# Altium PCB STM32MP25XXAK_2_DDR4.PcbDoc (part 2 of 6) (continued)
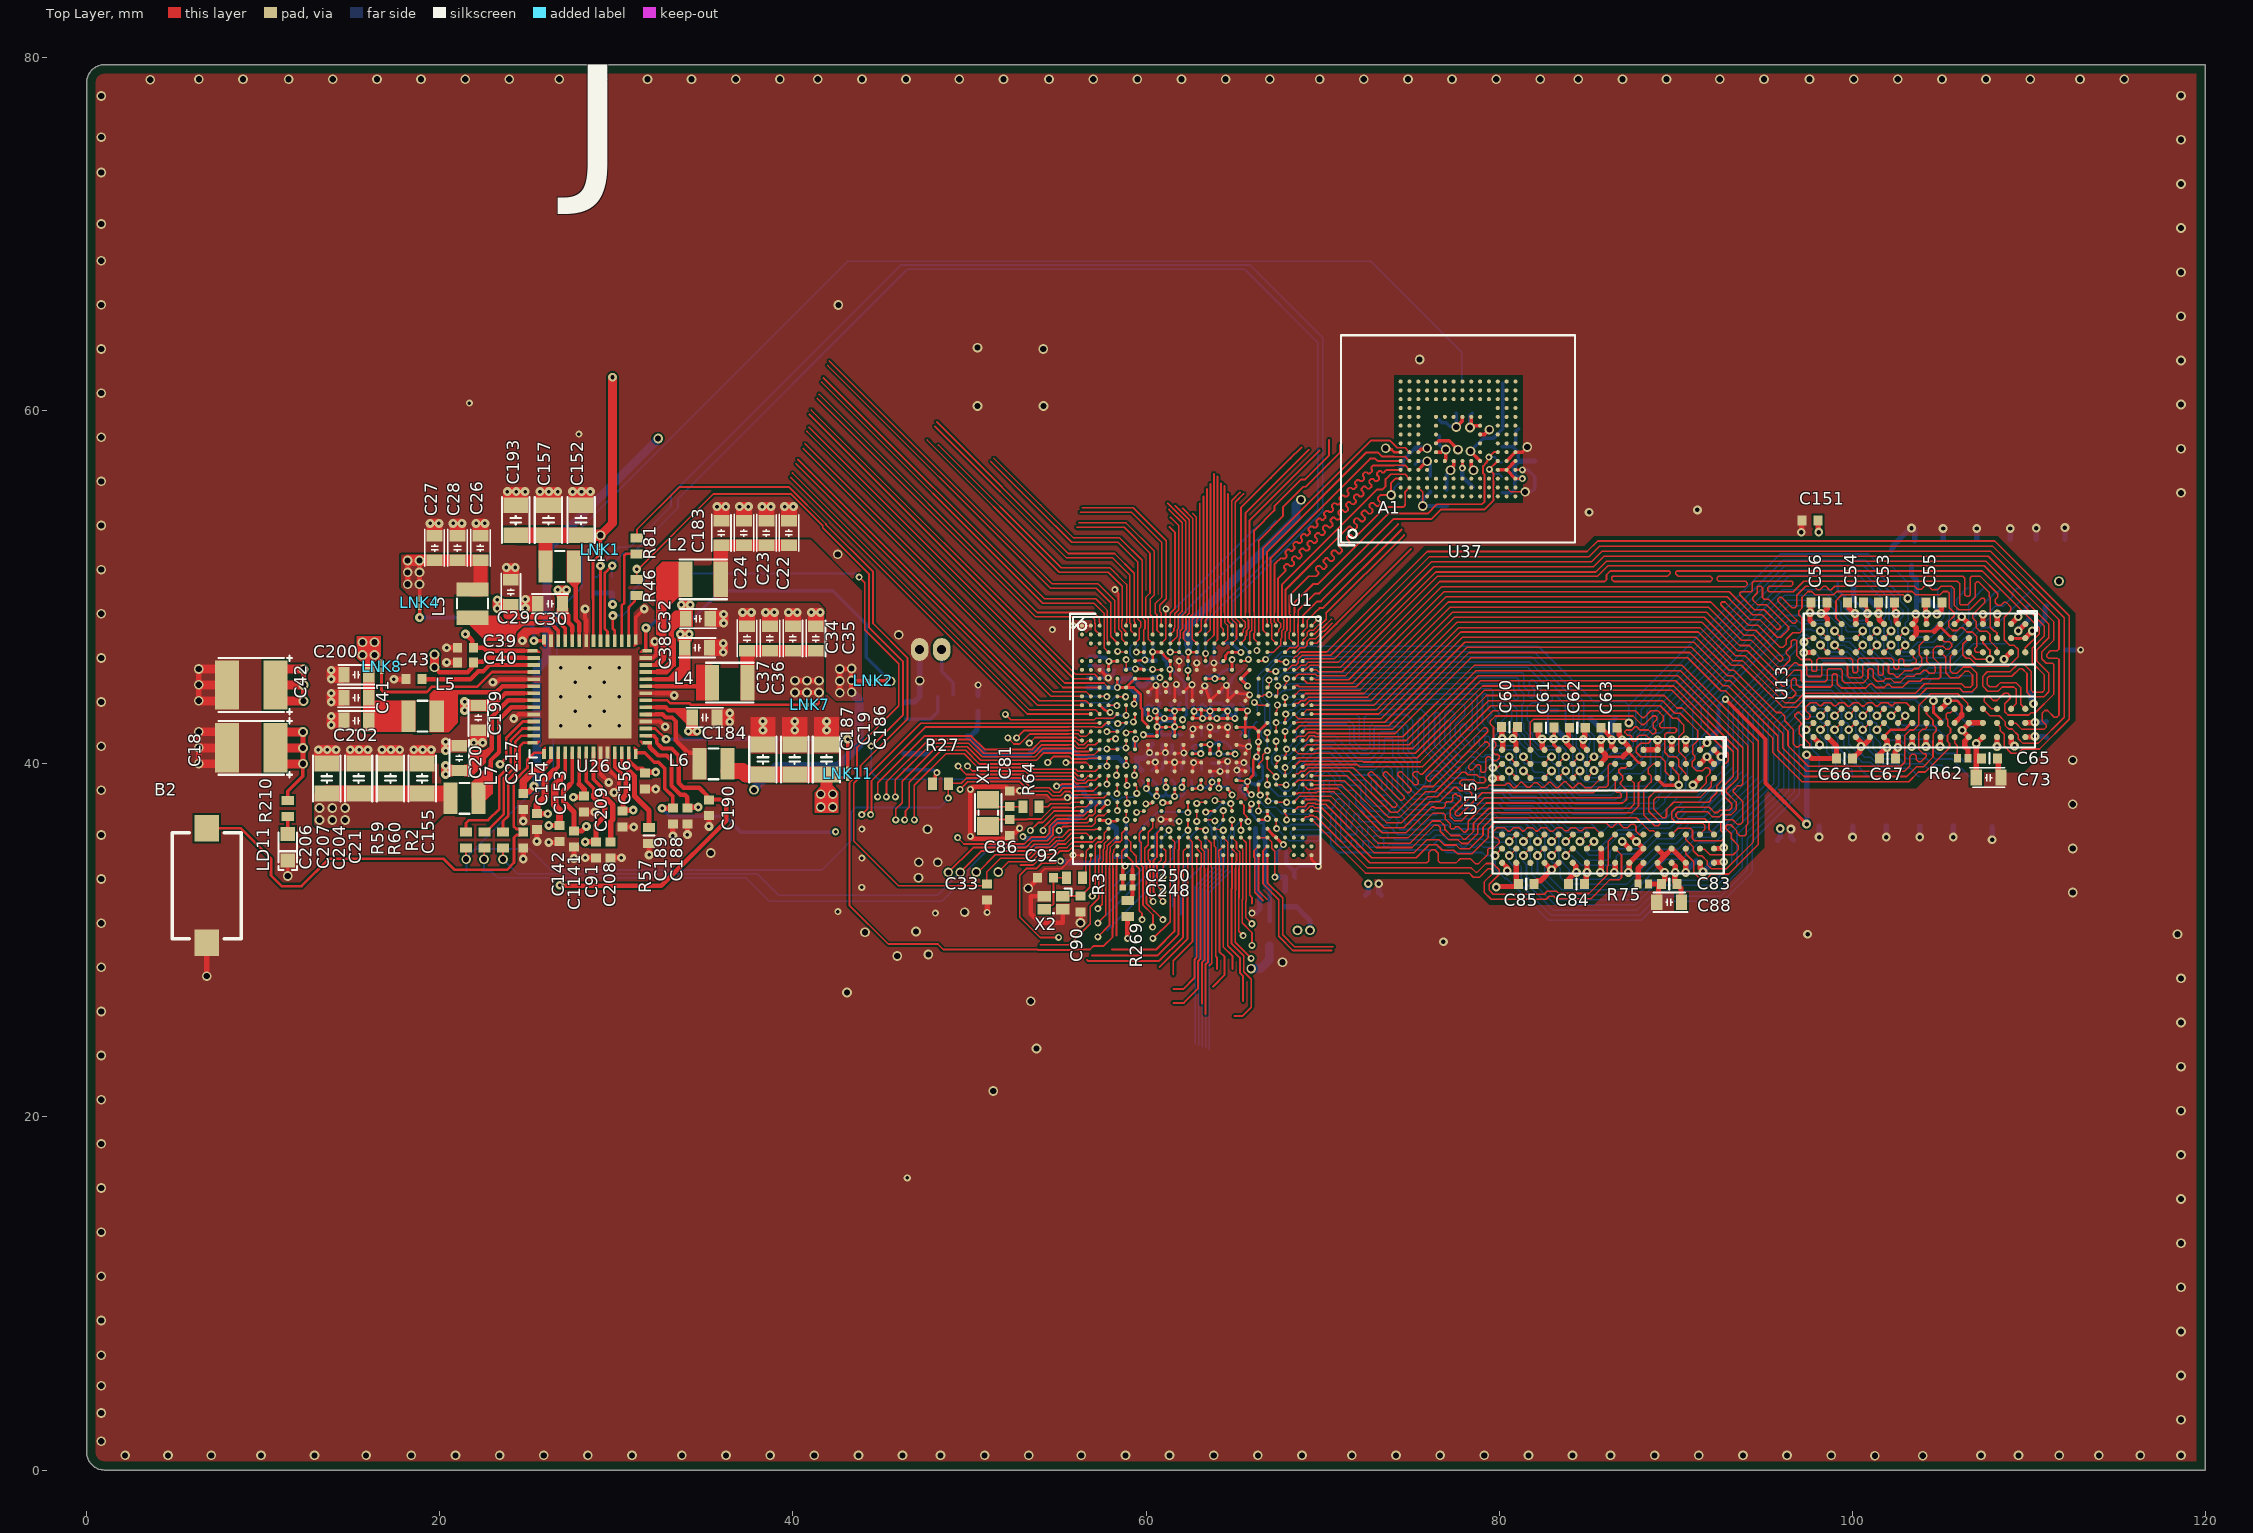
[diagram p0: Top Layer view]
## Nets (pads, with @x,y where several pads share a name; then routed paths per layer and width w, separated by ;. In a path a pad name is that pad's centre, name@x,y a point inside that pad or via, vN(x,y) a via of type N, cw(c..) or ccw(c..) an arc to the next point about the centre after c; other vN are vias at no path point) (continued)
  Bottom Layer w0.09: v2(67.916,42.821) 68.143,43.048 68.322,43.048 68.649,43.375 77.971,43.375 78.052,43.294 78.052,42.796 77.516,42.26 77.516,41.548 78.016,41.048 78.016,40.923 77.931,40.839 77.772,40.839 77.223,41.388 77.223,42.417 77.498,42.692 77.498,42.808 77.284,43.021 77.111,43.021 76.932,42.842 76.932,41.268 77.8,40.4 77.959,40.4 78.238,40.68 78.717,40.68 79.002,40.395 79.13,40.395 79.249,40.514 79.951,40.514 80.068,40.396 80.57,40.396 v4(80.578,40.404) ; v4@80.617,40.355 80.617,40.072 80.69,39.999 80.741,39.999 80.978,39.763 80.978,39.304 81.331,38.951 82.351,38.951 84.14,37.162 87.171,37.162 87.478,37.47 89.005,37.47 89.377,37.842 89.377,37.99 89.796,38.409 90.341,38.409 90.583,38.65 90.583,38.968 90.653,39.038 90.653,40.029 91.383,40.759 91.383,41.368 91.515,41.5 91.515,41.567 91.817,41.869 91.817,43.153 96.487,47.822 96.747,47.822 96.96,47.609 97.701,47.609 97.781,47.529 v4@98.178,47.529 ; v4@98.202,47.505 v4@98.178,47.529 ; R178.1@106.853,44.029 106.328,44.029 106.085,44.272 101.803,44.272 99.741,46.334 98.823,46.334 98.608,46.549 98.608,46.955 98.434,47.129 98.269,47.129 98.203,47.196 v4(98.203,47.529) v4@98.178,47.529
DDR_A9: R192.1 U1.AB24 U13.R7 U15.R7 | length 52.4
  Top Layer w0.09: U1.AB24@67.875,37.325 67.875,37.175 67.961,37.09 v2@67.961,36.85 ; v4@80.581,35.6 80.974,35.993 U15.R7@80.974,35.997 ; v4(98.203,42.729) U13.R7@98.599,43.126
  Bottom Layer w0.09: v2@67.965,36.854 69.882,36.854 69.978,36.95 69.978,37.091 69.731,37.338 69.731,37.53 69.848,37.647 70.023,37.647 70.178,37.491 70.546,37.491 70.717,37.663 70.717,37.889 70.836,38.008 70.999,38.008 71.231,37.776 71.231,37.64 71.042,37.452 71.042,35.655 71.138,35.56 71.253,35.56 71.335,35.641 71.335,35.876 71.455,35.996 71.828,35.996 71.931,36.1 71.931,36.338 72.028,36.435 72.162,36.435 72.255,36.342 72.255,36.031 72.343,35.943 72.462,35.943 72.55,36.031 72.55,36.365 72.623,36.438 72.859,36.438 72.937,36.36 72.937,36.27 72.986,36.221 73.624,36.221 73.689,36.156 73.689,35.883 73.752,35.82 73.986,35.82 74.104,35.701 76.155,35.701 76.41,35.957 76.842,35.957 77.067,35.732 79.057,35.732 79.233,35.556 80.381,35.556 80.503,35.678 v4(80.578,35.604) 80.578,35.254 80.633,35.199 80.741,35.199 80.977,34.963 80.977,34.448 81.236,34.189 81.263,34.163 81.263,33.52 83.064,31.719 87.812,31.719 88.883,32.79 92.443,32.79 93.764,34.111 93.764,35.859 96.418,38.512 96.418,41.913 97.183,42.678 98.152,42.678 v4(98.203,42.729) ; v4@98.207,42.724 98.207,42.397 98.275,42.329 98.364,42.329 98.605,42.087 98.605,41.616 98.866,41.356 98.866,40.775 100.001,39.639 100.001,39.329 R192.1@100.028,39.302
  other v2: 67.96,36.825
DDR_A10: R166.1 U1.H24 U13.M3 U15.M3 | length 58.7
  Top Layer w0.09: U1.H24@67.875,44.325 67.877,44.327 67.877,44.497 67.96,44.58 v2(67.96,44.825) ; U15.M3@83.374,39.197 83.374,39.245 v4@83.729,39.6 ; U13.M3@101.005,46.32 101.403,46.718 v4(101.403,46.729)
  Bottom Layer w0.09: v2(67.96,44.825) 68.242,44.825 68.297,44.88 81.002,44.88 81.117,44.764 81.117,44.254 81.386,43.985 81.386,43.452 81.297,43.363 81.297,42.378 81.386,42.289 81.386,41.921 81.691,41.617 81.691,41.294 82.178,40.807 83.285,40.807 83.373,40.719 83.373,40.07 83.778,39.665 83.778,39.315 84.632,38.461 86.13,38.461 87.098,39.429 88.053,39.429 88.578,39.954 88.578,41.524 88.802,41.749 89.125,41.749 89.349,41.972 89.349,42.735 96.171,49.558 98.584,49.558 99.166,48.976 99.166,48.487 99.875,47.779 100.264,47.779 100.411,47.926 100.767,47.926 100.998,47.694 100.998,47.375 101.239,47.134 101.306,47.134 101.397,47.043 101.397,46.735 v4(101.403,46.729) 101.403,46.676 101.608,46.471 101.608,46.387 102.381,45.614 103.464,45.614 103.514,45.664 103.727,45.664 104.082,46.019 105.271,46.019 107.305,48.052 107.554,48.052 107.816,48.314 107.816,48.651 108.107,48.942 108.556,48.942 109.078,49.464 109.078,49.697 109.333,49.952 R166.1@109.428,49.952 R166.1@109.428,49.954
  other v4: 83.778,39.604
DDR_A11: R182.1 U1.P24 U13.T2 U15.T2 | length 63.3
  Top Layer w0.09: U1.P24@67.875,41.325 67.875,41.838 v2(67.879,41.842) ; v4@79.656,39.775 79.904,39.775 80.128,39.999 U15.T2@80.175,39.999 ; v4(97.278,46.904) 97.494,47.12 U13.T2@97.805,47.12
  Bottom Layer w0.09: v2@67.88,41.842 68.506,42.468 68.562,42.468 68.889,42.795 71.929,42.795 72.07,42.654 72.07,41.391 72.143,41.318 72.278,41.318 72.373,41.413 72.373,42.636 72.532,42.795 74.776,42.795 75.112,42.458 75.112,40.897 75.178,40.831 75.307,40.831 75.423,40.947 75.423,42.532 75.499,42.607 75.646,42.607 75.732,42.521 75.732,40.779 77.312,39.199 78.113,39.199 ; 78.113,39.2 78.375,38.938 78.468,38.938 78.594,39.064 78.594,39.562 78.518,39.638 78.45,39.638 78.309,39.497 78.168,39.497 78.102,39.563 78.102,39.722 78.417,40.037 78.536,40.037 78.906,39.668 78.906,39.011 78.984,38.932 79.113,38.932 79.225,39.044 79.225,39.677 79.327,39.779 v4(79.653,39.779) 79.693,39.779 80.103,39.369 80.103,39.174 80.825,38.451 82.144,38.451 83.939,36.655 85.186,36.655 85.671,36.171 85.885,36.171 86.259,36.545 87.478,36.545 87.808,36.874 ; 87.809,36.874 87.825,36.89 89.446,36.89 90.384,37.828 91.278,37.828 93.268,39.817 93.268,43.217 95.909,45.859 96.233,45.859 v4(97.278,46.904) ; v4(97.278,46.904) 98.327,45.854 99.542,45.854 101.658,43.738 102.695,43.738 102.804,43.629 103.578,43.629 104.023,43.184 105.598,43.184 106.653,42.129 R182.1@106.853,42.129
DDR_A12: R186.1 U1.W23 U13.M7 U15.M7 | length 55.3
  Top Layer w0.09: U1.W23@67.379,38.821 67.918,38.821 v2(67.935,38.805) ; v4@83.004,35.6 83.374,35.97 U15.M7@83.374,35.997 ; v4(100.603,42.729) 100.994,43.12 U13.M7@101.005,43.12 ; v4@100.612,42.703 v4@100.635,42.703
  Bottom Layer w0.09: v2(67.935,38.805) 67.935,38.853 68.546,39.464 68.546,39.67 69.849,40.972 70.495,40.972 71.811,39.656 72.949,39.656 73.598,40.305 73.708,40.305 74.245,39.767 74.245,38.463 75.012,37.697 76.205,37.697 76.45,37.942 76.576,37.942 76.728,37.789 77.47,37.789 77.787,37.472 79.826,37.472 80.162,37.136 81.688,37.136 82.821,36.004 82.821,35.862 82.978,35.705 v4(82.978,35.604) 83.188,35.393 83.188,35.152 83.373,34.968 83.373,34.619 83.983,34.009 83.983,33.69 84.214,33.459 86.691,33.459 86.928,33.695 86.928,34.013 87.519,34.604 88.181,34.604 89.056,35.479 90.03,35.479 90.968,36.418 91.862,36.418 94.678,39.233 94.678,42.633 96.493,44.449 98.965,44.449 100.603,42.812 100.603,42.688 100.817,42.474 100.817,42.346 100.999,42.164 100.999,41.774 101.583,41.19 101.583,40.765 101.814,40.534 102.854,40.534 103.094,40.294 104.222,40.294 104.599,39.918 105.068,39.918 105.423,39.563 105.423,39.512 105.633,39.302 R186.1@105.728,39.302
DDR_A13: R194.1 U1.AC23 U13.T8 U15.T8 | length 49.2
  Top Layer w0.09: U1.AC23@67.379,36.821 67.379,36.358 v2(67.402,36.335) ; v4@79.781,34.8 79.781,34.83 U15.T8@80.15,35.199 ; v4(97.403,41.929) 97.414,41.929 U13.T8@97.805,42.32 ; v4@97.412,41.933 v4@97.484,42.005
  Bottom Layer w0.09: v2(67.402,36.335) 68.084,35.653 69.753,35.653 69.827,35.728 69.827,35.858 69.742,35.944 68.272,35.944 68.183,36.032 68.183,36.132 68.325,36.274 69.826,36.274 70.009,36.091 70.378,36.091 70.462,36.007 70.462,35.415 70.897,34.98 73.731,34.98 73.872,35.121 76.395,35.121 76.565,35.291 76.687,35.291 76.997,34.981 79.056,34.981 79.233,34.804 v4(79.778,34.804) ; v4@79.781,34.8 79.781,34.058 80.331,33.507 80.432,33.507 82.8,31.139 88.052,31.139 89.123,32.21 92.684,32.21 94.344,33.871 94.344,35.618 96.998,38.272 96.998,41.516 v4@97.403,41.921 ; v4@97.403,41.785 v4@97.43,41.785 ; v4(97.403,41.929) v4@97.403,41.921 ; R194.1@98.132,39.302 98.132,40.424 97.688,40.869 97.688,41.636 v4@97.403,41.921
DDR_ACTN: R168.1 U1.F22 U13.L3 U15.L3 | length 58.7
  Top Layer w0.09: U1.F22@66.883,45.325 66.888,45.325 66.998,45.215 67.317,45.215 v2@67.34,45.239 ; U15.L3@84.174,39.197 84.174,39.245 84.529,39.6 v4@84.581,39.6 ; U13.L3@101.805,46.32 102.203,46.718 v4(102.203,46.729)
  Bottom Layer w0.09: v2@67.35,45.239 67.386,45.239 67.558,45.41 68.19,45.41 68.258,45.478 81.618,45.478 82.764,44.332 82.764,44.242 82.656,44.135 82.656,43.625 82.748,43.534 82.963,43.534 83.016,43.586 83.016,43.807 83.1,43.891 83.21,43.891 83.763,43.338 83.763,41.997 84.178,41.582 84.178,40.242 84.306,40.114 84.306,39.927 84.368,39.865 84.368,39.862 84.578,39.652 v4(84.578,39.604) 84.578,39.242 84.841,38.979 85.765,38.979 86.795,40.009 87.422,40.009 88.056,40.643 88.056,41.588 88.688,42.22 88.688,42.895 96.463,50.67 100.383,50.67 101.762,49.291 101.762,49.066 101.898,48.931 101.898,48.358 101.803,48.263 101.803,47.368 101.984,47.187 101.984,46.988 v4@102.203,46.769 ; v4@102.203,46.672 102.78,46.094 103.266,46.094 103.416,46.244 103.486,46.244 103.841,46.599 105.031,46.599 106.598,48.165 106.598,49.099 107.223,49.724 107.223,49.742 107.433,49.952 R168.1@107.528,49.952
  other v2: 67.35,45.24
DDR_BA0: R165.1 U1.J23 U13.N2 U15.N2 | length 62.1
  Top Layer w0.09: U1.J23@67.375,43.825 67.471,43.921 v2(67.471,44.421) ; U15.N2@82.574,39.997 82.574,40.045 v4@82.904,40.375 ; U13.N2@100.205,47.12 100.603,47.518 v4(100.603,47.529)
  Bottom Layer w0.09: v2(67.471,44.421) 67.77,44.421 67.828,44.48 68.103,44.48 68.158,44.535 80.752,44.535 80.827,44.46 80.827,44.134 81.096,43.865 81.096,43.727 81.008,43.639 80.897,43.639 80.291,44.245 80.059,44.245 79.985,44.171 79.985,43.903 80.061,43.826 80.298,43.826 81.007,43.117 81.007,42.381 80.899,42.274 80.899,42.136 81.443,41.593 81.443,41.245 82.284,40.404 v4(82.978,40.404) v4@82.952,40.378 ; v4@82.978,40.379 82.978,40.101 83.08,39.999 83.143,39.999 83.376,39.766 83.376,39.447 83.528,39.295 83.528,39.212 84.528,38.211 86.34,38.211 86.86,38.731 88.31,38.731 88.868,39.289 88.868,40.685 89.373,41.19 89.373,41.579 89.698,41.904 89.698,42.674 96.282,49.259 98.473,49.259 98.976,48.756 98.976,48.409 98.99,48.394 98.99,48.389 99.639,47.74 99.639,47.602 99.753,47.489 100.562,47.489 v4(100.603,47.529) 100.603,47.204 100.683,47.124 100.766,47.124 100.998,46.893 100.998,46.559 102.183,45.374 103.847,45.374 104.202,45.729 105.392,45.729 107.388,47.725 108.019,47.725 109.628,49.334 109.628,49.369 109.713,49.454 109.776,49.454 110.276,49.954 R165.1@110.378,49.954
DDR_BA1: R189.1 U1.AA23 U13.N8 U15.N8 | length 52.5
  Top Layer w0.09: U1.AA23@67.375,37.825 v2(67.96,37.825) ; v4@82.181,34.8 82.181,34.83 U15.N8@82.55,35.199 ; v4@99.812,41.933 U13.N8@100.202,42.323
  Bottom Layer w0.09: v2(67.96,37.825) 67.976,37.809 68.273,37.809 68.945,38.481 68.945,38.632 69.416,39.104 69.416,39.237 70.072,39.893 70.344,39.893 70.971,39.265 70.971,39.044 71.046,38.97 71.267,38.97 71.451,38.786 72.076,38.786 72.162,38.7 72.162,37.907 72.76,37.309 73.315,37.309 73.533,37.091 73.65,37.091 73.752,37.194 73.752,37.378 73.879,37.505 73.974,37.505 74.666,36.812 74.666,36.638 74.733,36.571 74.956,36.571 75.013,36.628 75.013,36.76 75.07,36.818 75.392,36.818 75.476,36.734 75.476,36.634 75.539,36.571 75.745,36.571 76,36.827 77.202,36.827 77.427,36.602 79.466,36.602 79.628,36.439 81.226,36.439 81.776,35.889 81.776,35.412 82.007,35.181 82.059,35.181 82.125,35.116 82.125,34.857 v4(82.178,34.804) 82.178,33.835 83.424,32.589 87.451,32.589 89.451,34.589 90.37,34.589 91.329,35.548 92.223,35.548 95.548,38.872 95.548,42.273 96.854,43.579 98.711,43.579 99.398,42.893 99.398,42.575 99.639,42.334 99.723,42.334 99.778,42.279 99.778,41.954 v4(99.803,41.929) 99.803,41.129 100.336,40.595 100.482,40.595 100.698,40.379 101.038,40.379 101.609,39.809 102.314,39.809 102.573,39.551 102.573,39.512 102.783,39.302 R189.1@102.878,39.302
DDR_BG0: R167.1 U1.H22 U13.M2 U15.M2 | length 61.5
  Top Layer w0.09: U1.H22@66.875,44.325 66.975,44.425 66.975,44.741 v2(66.967,44.749) ; U15.M2@83.374,39.997 83.374,40.045 v4@83.729,40.4 ; U13.M2@101.005,47.12 101.005,47.131 v4(101.403,47.529)
  Bottom Layer w0.09: v2(66.967,44.749) 66.982,44.764 67.401,44.764 67.807,45.17 81.305,45.17 81.407,45.067 81.407,44.374 81.676,44.105 81.676,43.837 81.757,43.756 81.909,43.756 81.989,43.837 81.989,44.221 81.701,44.509 81.701,44.64 81.816,44.754 81.931,44.754 82.366,44.319 82.366,43.542 82.29,43.465 81.865,43.465 81.587,43.187 81.587,42.498 81.701,42.384 81.701,41.879 81.908,41.672 81.908,41.371 82.275,41.004 83.55,41.004 83.778,40.776 v4(83.778,40.404) ; v4@83.781,40.4 83.995,40.186 83.995,39.946 84.178,39.763 84.178,39.269 84.735,38.711 85.94,38.711 86.948,39.719 87.542,39.719 88.314,40.492 88.314,41.558 88.996,42.239 88.996,42.793 96.063,49.86 98.692,49.86 99.365,49.187 99.365,48.614 99.856,48.122 100.844,48.122 101.359,47.607 101.359,47.536 101.658,47.237 101.658,47.045 101.798,46.905 101.798,46.549 102.493,45.854 103.365,45.854 103.465,45.954 103.606,45.954 103.961,46.309 105.151,46.309 106.888,48.045 106.888,48.284 107.015,48.411 107.015,48.634 107.933,49.552 107.938,49.552 108.128,49.742 108.268,49.742 R167.1@108.373,49.847
DDR_CASN: R187.1 U1.T22 U13.M8 U15.M8 | length 58
  Top Layer w0.09: U1.T22@66.875,40.325 66.875,39.764 v2@67.368,39.271 ; v4@82.981,34.83 U15.M8@83.35,35.199 ; v4(100.603,41.929) 100.994,42.32 U13.M8@101.005,42.32
  Bottom Layer w0.09: v2(67.372,39.271) 67.372,38.857 67.769,38.46 68.082,38.46 68.365,38.743 68.365,38.873 68.836,39.344 68.836,39.503 70.014,40.68 70.377,40.68 71.691,39.366 73.129,39.366 73.345,39.15 73.345,38.598 73.425,38.518 73.569,38.518 73.639,38.588 73.639,39.301 73.381,39.56 73.381,39.678 73.593,39.89 73.712,39.89 73.955,39.647 73.955,38.343 74.892,37.407 76.325,37.407 76.418,37.499 77.35,37.499 77.667,37.182 79.706,37.182 80.014,36.874 81.597,36.874 82.576,35.895 82.576,35.444 82.899,35.121 82.899,34.882 v4(82.978,34.804) 82.978,34.454 83.033,34.399 83.141,34.399 83.474,34.066 83.474,33.568 83.873,33.169 87.211,33.169 89.211,35.169 90.13,35.169 91.089,36.128 91.983,36.128 94.968,39.113 94.968,42.513 96.613,44.159 98.844,44.159 99.838,43.165 99.945,43.165 100.208,42.903 100.208,42.565 100.439,42.334 100.547,42.334 100.6,42.281 v4@100.6,41.931 ; v4(100.603,41.929) 100.603,41.863 101.203,41.263 101.203,40.855 101.763,40.294 102.684,40.294 102.974,40.004 104.01,40.004 104.473,39.541 104.473,39.512 104.683,39.302 R187.1@104.778,39.302
DDR_CKE: R171.1 U1.U21 U13.K2 U15.K2 | length 60.9
  Top Layer w0.09: U1.U21@66.375,39.825 66.402,39.852 66.402,39.998 66.605,40.201 66.605,40.483 v2(66.872,40.75) ; U15.K2@84.981,40 v4@85.381,40.4 ; U13.K2@102.612,47.132 v4@103.006,47.525
  Bottom Layer w0.09: v2(66.872,40.75) 66.872,41.23 66.523,41.578 66.523,41.909 66.731,42.117 66.731,43.258 66.48,43.509 66.48,43.629 66.343,43.766 66.343,44.997 67.694,46.348 81.983,46.348 84.803,43.529 84.803,42.178 85.381,41.6 v4@85.381,40.404 ; v4(85.378,40.404) v4@85.381,40.404 ; R171.1@104.678,49.952 104.791,49.952 104.853,49.891 104.853,49.313 105.198,48.968 105.198,48.315 104.411,47.529 v4(103.003,47.529) 103.003,47.976 103.168,48.142 103.168,48.783 102.728,49.223 102.728,49.556 100.744,51.54 96.103,51.54 87.752,43.189 87.752,42.131 87.375,41.754 87.375,41.193 87.061,40.879 86.239,40.879 85.764,40.404 v4@85.381,40.404
DDR_CLK_N: R181.2 U1.T24 U13.K8 U15.K8 | length 57.4
  Top Layer w0.09: U1.T24@67.875,40.325 67.875,40.479 67.946,40.55 67.946,40.817 v2(67.96,40.831) ; U15.K8@84.974,35.197 84.974,35.247 v4@85.327,35.6 ; U13.K8@102.605,42.32 103.003,42.718 v4(103.003,42.729)
  Bottom Layer w0.09: v2(67.96,40.831) 67.986,40.831 68.5,41.345 68.5,41.919 69.086,42.505 71.457,42.505 71.78,42.182 71.78,41.271 72.275,40.776 72.485,40.776 72.663,40.954 72.663,42.112 72.915,42.365 74.564,42.365 74.821,42.108 74.821,40.776 75.365,40.231 75.365,38.927 75.476,38.817 75.741,38.817 75.85,38.925 75.85,39.348 76.106,39.604 76.497,39.604 77.192,38.909 77.934,38.909 78.251,38.592 80.29,38.592 80.72,38.162 82.077,38.162 83.874,36.365 84.858,36.365 85.093,36.13 85.093,35.884 v4@85.373,35.604 ; v4(85.378,35.604) 85.091,35.317 85.091,35.206 85.218,35.079 85.54,35.079 86.714,36.253 87.699,36.253 88.046,36.6 89.567,36.6 90.504,37.538 91.399,37.538 93.558,39.697 93.558,43.097 96.029,45.569 99.392,45.569 101.463,43.498 102.415,43.498 102.709,43.204 102.709,42.999 102.979,42.729 v4(103.003,42.729) 102.728,42.454 102.728,42.313 102.866,42.175 104.869,42.175 105.198,42.504 R181.2@105.228,42.504
DDR_CLK_P: R181.1 U1.U23 U13.K7 U15.K7 | length 58.1
  Top Layer w0.09: U1.U23@67.375,39.825 U1.U23@67.375,39.825 67.376,40 67.46,40.084 v2(67.46,40.305) v2@67.424,40.269 ; v4@84.627,35.6 84.974,35.947 U15.K7@84.974,35.997 ; v4(102.203,42.729) 102.214,42.729 U13.K7@102.605,43.12
  Bottom Layer w0.09: v2(67.46,40.305) 67.508,40.305 67.688,40.486 68.103,40.486 68.305,40.688 68.305,40.796 68.75,41.241 68.75,41.816 69.189,42.255 71.354,42.255 71.53,42.079 71.53,41.168 72.171,40.526 72.589,40.526 72.913,40.85 72.913,42.009 73.019,42.115 74.46,42.115 74.571,42.004 74.571,40.672 75.115,40.128 75.115,38.824 75.372,38.567 75.845,38.567 76.1,38.822 76.1,39.244 76.21,39.354 76.394,39.354 77.089,38.659 77.83,38.659 78.148,38.342 80.187,38.342 80.617,37.912 81.974,37.912 83.77,36.115 84.755,36.115 84.843,36.026 84.843,35.87 v4(84.578,35.604) 84.841,35.341 84.841,35.103 85.115,34.829 85.643,34.829 86.817,36.003 87.803,36.003 88.149,36.35 89.67,36.35 90.608,37.288 91.502,37.288 93.808,39.593 93.808,42.994 96.133,45.319 99.289,45.319 101.36,43.248 102.311,43.248 102.459,43.1 102.459,42.985 v4(102.203,42.729) 102.478,42.454 102.478,42.209 102.762,41.925 104.859,41.925 105.18,41.604 R181.1@105.228,41.602
DDR_CSN: R183.1 U1.V24 U13.L7 U15.L7 | length 57
  Top Layer w0.09: U1.V24@67.875,39.325 67.879,39.329 v2(67.879,39.79) ; v4@83.781,35.6 83.812,35.6 84.15,35.938 U15.L7@84.15,35.999 ; v4(101.403,42.729) 101.414,42.729 U13.L7@101.805,43.12
  Bottom Layer w0.09: v2(67.879,39.79) 67.879,39.822 68.595,40.539 68.595,40.676 69.471,41.552 70.735,41.552 72.051,40.236 72.709,40.236 73.203,40.73 73.203,41.722 73.306,41.825 74.159,41.825 74.278,41.705 74.278,40.555 74.825,40.008 74.825,38.704 75.252,38.277 75.965,38.277 76.428,38.739 76.598,38.739 76.968,38.369 77.71,38.369 78.028,38.052 80.066,38.052 80.482,37.636 81.896,37.636 83.579,35.953 83.579,35.881 83.778,35.682 v4(83.778,35.604) 83.778,35.554 84.128,35.204 84.231,35.204 84.896,34.539 86.126,34.539 86.28,34.694 86.28,35.044 86.42,35.184 87.941,35.184 88.816,36.059 89.79,36.059 90.728,36.998 91.622,36.998 94.098,39.473 94.098,42.874 96.253,45.029 99.205,45.029 101.181,43.053 101.181,42.978 101.403,42.756 v4(101.403,42.729) 102.514,41.618 102.877,41.618 103.109,41.386 103.827,41.386 ; 103.828,41.385 104.33,41.385 104.573,41.143 104.573,40.825 104.814,40.584 105.898,40.584 106.328,40.154 106.826,40.154 R183.1@106.853,40.127
DDR_DQ0: U1.AB26 U15.F7 | length 22.9
  Top Layer w0.09: U1.AB26@68.875,37.325 68.893,37.343 69.03,37.343 69.276,37.59 69.483,37.59 69.557,37.515 69.962,37.515 72.793,34.684 75.309,34.684 76.047,35.423 76.469,35.423 76.781,35.111 77.439,35.111 77.64,34.91 78.46,34.91 79.381,35.83 79.381,36.288 79.753,36.661 86.059,36.661 86.305,36.415 86.426,36.415 86.673,36.661 86.773,36.661 87.05,36.384 87.28,36.384 87.472,36.576 87.655,36.576 87.754,36.477 87.754,36.185 87.939,36 U15.F7@88.175,36
DDR_DQ1: U1.AC26 U15.H7 | length 24.1
  Top Layer w0.09: U1.AC26@68.875,36.825 69.056,37.006 69.203,37.006 69.271,37.075 69.479,37.075 69.547,37.006 69.651,37.006 72.553,34.104 78.431,34.104 78.667,33.868 78.774,33.868 79.264,34.358 79.642,34.358 80.002,33.997 80.002,33.744 79.44,33.181 79.44,32.851 79.674,32.616 82.553,32.616 82.729,32.792 83.245,32.792 ; 83.246,32.792 83.384,32.655 85.088,32.655 86.131,33.698 86.131,34.192 86.176,34.236 86.176,35.595 ; 86.176,35.595 U15.H7@86.581,36
DDR_DQ2: U1.AB27 U15.J7 | length 21.9
  Top Layer w0.09: U1.AB27@69.382,37.318 U1.AB27@69.375,37.325 69.742,37.325 72.673,34.394 75.903,34.394 76.009,34.501 76.009,34.974 76.167,35.133 76.349,35.133 76.546,34.935 76.546,34.497 76.638,34.406 77.583,34.406 77.797,34.62 78.376,34.62 78.643,34.353 78.836,34.353 79.366,34.883 79.366,35.15 79.445,35.229 79.714,35.229 80.005,35.521 80.005,35.664 79.875,35.795 79.774,35.795 79.671,35.898 79.671,36.168 79.873,36.371 80.326,36.371 80.504,36.193 80.625,36.193 80.804,36.371 81.142,36.371 81.316,36.197 81.408,36.197 81.583,36.371 81.913,36.371 82.086,36.198 82.191,36.198 82.363,36.371 82.688,36.371 82.867,36.192 83.077,36.192 83.256,36.371 83.564,36.371 83.733,36.202 83.891,36.202 84.06,36.371 84.354,36.371 84.521,36.205 84.693,36.205 84.86,36.371 85.4,36.371 U15.J7@85.774,35.997
DDR_DQ3: U1.AC27 U15.H8 | length 23.7
  Top Layer w0.09: U1.AC27@69.35,36.825 U1.AC27@69.375,36.825 69.422,36.825 72.433,33.814 78.307,33.814 78.543,33.578 78.894,33.578 79.384,34.068 79.521,34.068 79.665,33.924 79.665,33.817 79.15,33.301 79.15,32.731 79.554,32.326 82.674,32.326 82.849,32.502 83.095,32.502 83.233,32.365 85.208,32.365 86.289,33.445 86.824,33.445 86.932,33.553 86.932,34.839 U15.H8@86.574,35.197
DDR_DQ4: U1.W25 U15.J3 | length 24.8
  Top Layer w0.09: U1.W25@68.375,38.825 68.625,39.075 69.479,39.075 69.503,39.05 71.246,39.05 73.622,36.674 74.485,36.674 75.948,38.137 76.504,38.137 77.893,39.527 78.085,39.527 78.231,39.381 78.741,39.381 78.891,39.231 79.151,39.231 79.229,39.153 79.229,39.006 79.164,38.941 78.725,38.941 78.576,39.09 77.892,39.09 77.783,38.981 77.783,38.887 77.896,38.773 78.424,38.773 78.613,38.585 78.857,38.585 78.923,38.651 79.303,38.651 79.431,38.779 80.319,38.779 80.443,38.904 80.569,38.904 80.82,38.653 80.918,38.653 81.214,38.949 81.317,38.949 81.592,38.674 81.737,38.674 81.984,38.921 82.159,38.921 82.397,38.683 82.548,38.683 82.813,38.949 82.932,38.949 83.23,38.651 83.338,38.651 83.665,38.978 83.792,38.978 84.119,38.651 84.234,38.651 84.487,38.904 84.616,38.904 84.862,38.658 85.235,38.658 U15.J3@85.774,39.197
DDR_DQ5: U1.W27 U15.H2 | length 23.8
  Top Layer w0.09: U1.W27@69.375,38.846 U1.W27@69.375,38.825 ; U1.W27@69.389,38.811 U1.W27@69.375,38.825 ; U15.H2@86.572,39.999 86.265,39.999 86.195,39.929 86.195,38.811 86.054,38.67 85.657,38.67 85.348,38.361 79.043,38.361 77.738,37.056 77.593,37.056 77.52,37.128 77.52,37.256 78.448,38.184 78.448,38.338 78.302,38.483 77.776,38.483 77.578,38.682 77.459,38.682 76.624,37.847 76.068,37.847 74.605,36.384 73.5,36.384 71.06,38.825 U1.W27@69.375,38.825
DDR_DQ6: U1.W26 U15.H3 | length 24.4
  Top Layer w0.09: U1.W26@68.875,38.825 68.899,38.825 69.163,38.561 69.529,38.561 69.573,38.605 70.87,38.605 73.38,36.094 74.725,36.094 76.188,37.557 76.341,37.557 76.397,37.501 76.839,37.501 76.95,37.611 76.95,37.763 77.034,37.848 77.285,37.848 77.381,37.943 77.381,38.191 77.48,38.29 77.559,38.29 77.656,38.193 77.75,38.193 77.828,38.116 77.828,37.974 77.23,37.376 77.23,37.008 77.472,36.766 77.858,36.766 79.163,38.071 86.867,38.071 86.92,38.124 86.92,38.285 86.818,38.388 86.664,38.388 86.573,38.478 U15.H3@86.573,39.196
DDR_DQ7: U1.Y25 U15.G2 | length 25.1
  Top Layer w0.09: U1.Y25@68.381,38.319 68.594,38.319 68.646,38.37 69.652,38.37 69.692,38.41 70.652,38.41 73.258,35.804 74.845,35.804 76.252,37.211 76.855,37.211 76.94,37.125 76.94,36.888 77.226,36.602 77.226,36.397 77.288,36.334 77.45,36.334 77.547,36.431 77.708,36.431 78.015,36.123 78.09,36.123 78.261,36.294 78.261,36.752 79.289,37.781 87.016,37.781 87.226,37.991 87.226,38.504 86.876,38.853 86.876,38.962 86.999,39.084 86.999,39.304 86.783,39.52 86.783,39.661 86.888,39.766 87.143,39.766 U15.G2@87.374,39.997
DDR_DQ8: U1.R27 U15.D7 | length 38.6
  Top Layer w0.09: U1.R27@69.375,40.825 69.378,40.828 69.625,40.828 69.669,40.872 75.114,40.872 78.946,44.704 89.629,44.704 90.014,44.704 93.806,40.913 93.806,38.866 93.689,38.749 93.499,38.749 93.26,38.51 93.26,38.412 93.806,37.866 93.806,36.709 93.666,36.569 93.511,36.569 93.243,36.837 92.739,36.837 92.552,36.65 92.552,36.218 92.739,36.032 92.739,35.792 92.598,35.652 91.053,35.652 90.954,35.751 90.954,36.248 90.861,36.342 90.119,36.342 U15.D7@89.774,35.997
DDR_DQ9: U1.R26 U15.B8 | length 39.3
  Top Layer w0.09: U1.R26@68.875,40.825 69.125,41.075 69.479,41.075 69.489,41.085 74.917,41.085 78.826,44.994 90.135,44.994 94.096,41.033 94.096,36.589 93.995,36.489 93.995,36.003 93.913,35.921 93.631,35.921 93.474,36.078 93.474,36.196 93.123,36.547 92.919,36.547 92.842,36.47 92.842,36.339 93.144,36.037 93.144,35.787 93.537,35.393 93.537,35.127 93.261,34.85 91.942,34.85 91.631,35.161 91.41,35.161 U15.B8@91.374,35.197
DDR_DQ10: U1.P27 U15.C7 | length 39.6
  Top Layer w0.09: U1.P27@69.375,41.325 74.747,41.325 78.706,45.284 90.255,45.284 94.386,41.153 94.386,35.551 92.886,34.052 92.031,34.052 91.782,34.301 91.782,34.503 91.487,34.797 91.286,34.797 91.001,35.082 91.001,35.294 90.58,35.715 90.58,35.991 U15.C7@90.574,35.997
DDR_DQ11: U1.P26 U15.C8 | length 41.4
  Top Layer w0.09: U1.P26@68.875,41.325 69.072,41.325 69.125,41.378 69.125,41.429 69.282,41.585 69.528,41.585 69.584,41.528 74.54,41.528 78.584,45.572 ; 78.584,45.574 90.375,45.574 94.676,41.273 94.676,35.431 93.006,33.762 92.015,33.762 91.732,33.479 91.393,33.479 91.027,33.845 91.027,34.459 90.574,34.911 U15.C8@90.574,35.197
DDR_DQ12: U1.V26 U15.C3 | length 39.6
  Top Layer w0.09: U1.V26@68.875,39.325 69.007,39.325 69.267,39.585 71.533,39.585 73.864,37.254 74.245,37.254 75.707,38.717 76.263,38.717 79.358,41.811 79.358,41.943 79.247,42.054 79.141,42.054 76.101,39.013 76.009,39.013 75.886,39.137 75.886,39.237 79.651,43.002 87.724,43.002 88.1,42.627 88.216,42.627 88.591,43.002 89.002,43.002 89.291,42.713 89.291,42.446 89.091,42.247 89.091,42.131 89.17,42.051 89.971,42.051 90.048,41.974 90.048,41.841 89.966,41.758 89.48,41.758 89.382,41.66 89.382,40.65 89.63,40.403 90.018,40.403 90.174,40.247 90.174,39.86 90.574,39.46 U15.C3@90.574,39.197
DDR_DQ13: U1.V27 U15.D3 | length 39.8
  Top Layer w0.09: U1.V27@69.385,39.335 U1.V27@69.375,39.325 71.383,39.325 73.744,36.964 74.365,36.964 75.828,38.427 76.384,38.427 79.197,41.24 79.329,41.24 79.432,41.137 79.432,41.033 78.274,39.875 78.274,39.748 78.347,39.675 78.498,39.675 78.77,39.946 78.889,39.946 78.95,39.885 78.95,39.581 79.011,39.521 79.174,39.521 79.252,39.599 79.252,40.308 79.334,40.391 79.478,40.391 79.696,40.173 79.859,40.173 80.003,40.316 80.003,40.458 79.932,40.528 79.777,40.528 79.667,40.638 79.667,40.845 79.806,40.983 79.806,41.187 79.682,41.311 79.682,42.08 79.489,42.273 79.489,42.408 79.794,42.712 87.589,42.712 88.072,42.228 88.228,42.228 88.711,42.712 88.882,42.712 88.935,42.659 88.935,42.517 88.722,42.304 88.722,42.076 88.874,41.924 88.874,41.789 88.801,41.717 88.659,41.717 88.459,41.917 87.97,41.917 87.793,42.094 87.689,42.094 87.642,42.048 cw(c87.354,42.317) 87.623,42.028 87.512,41.917 87.209,41.917 87.13,41.838 87.13,41.77 87.274,41.626 87.425,41.626 87.5,41.55 ; 87.5,41.553 87.5,41.55 ; U15.D3@89.772,39.197 89.405,39.563 89.405,40.137 89.145,40.397 88.021,40.397 87.766,40.653 87.766,40.908 88.024,41.166 88.449,41.166 88.555,41.273 88.555,41.401 88.344,41.612 87.931,41.612 87.827,41.507 87.827,41.381 87.719,41.274 87.575,41.274 87.5,41.348 87.5,41.55
DDR_DQ14: U1.V25 U15.C2 | length 39.8
  Top Layer w0.09: U1.V25@68.375,39.325 68.5,39.45 68.646,39.45 68.771,39.575 68.979,39.575 69.179,39.775 71.753,39.775 73.984,37.544 74.12,37.544 74.212,37.637 74.212,37.732 72.593,39.352 72.593,39.444 72.693,39.543 72.812,39.543 74.407,37.948 74.524,37.948 74.631,38.055 74.631,38.152 73.446,39.337 73.446,39.462 73.527,39.543 73.642,39.543 74.809,38.377 74.918,38.377 75.012,38.471 75.012,38.595 74.258,39.349 74.258,39.463 74.339,39.543 74.479,39.543 75.211,38.812 75.347,38.812 75.429,38.894 75.429,39.037 75.119,39.347 75.119,39.468 75.195,39.543 75.408,39.543 75.544,39.407 75.643,39.407 79.528,43.292 89.122,43.292 89.832,42.582 90.084,42.582 90.464,42.202 90.464,41.809 90.179,41.523 90.179,40.704 90.574,40.309 U15.C2@90.574,39.997